# Altium PCB COOP4403.PcbDoc (continued)
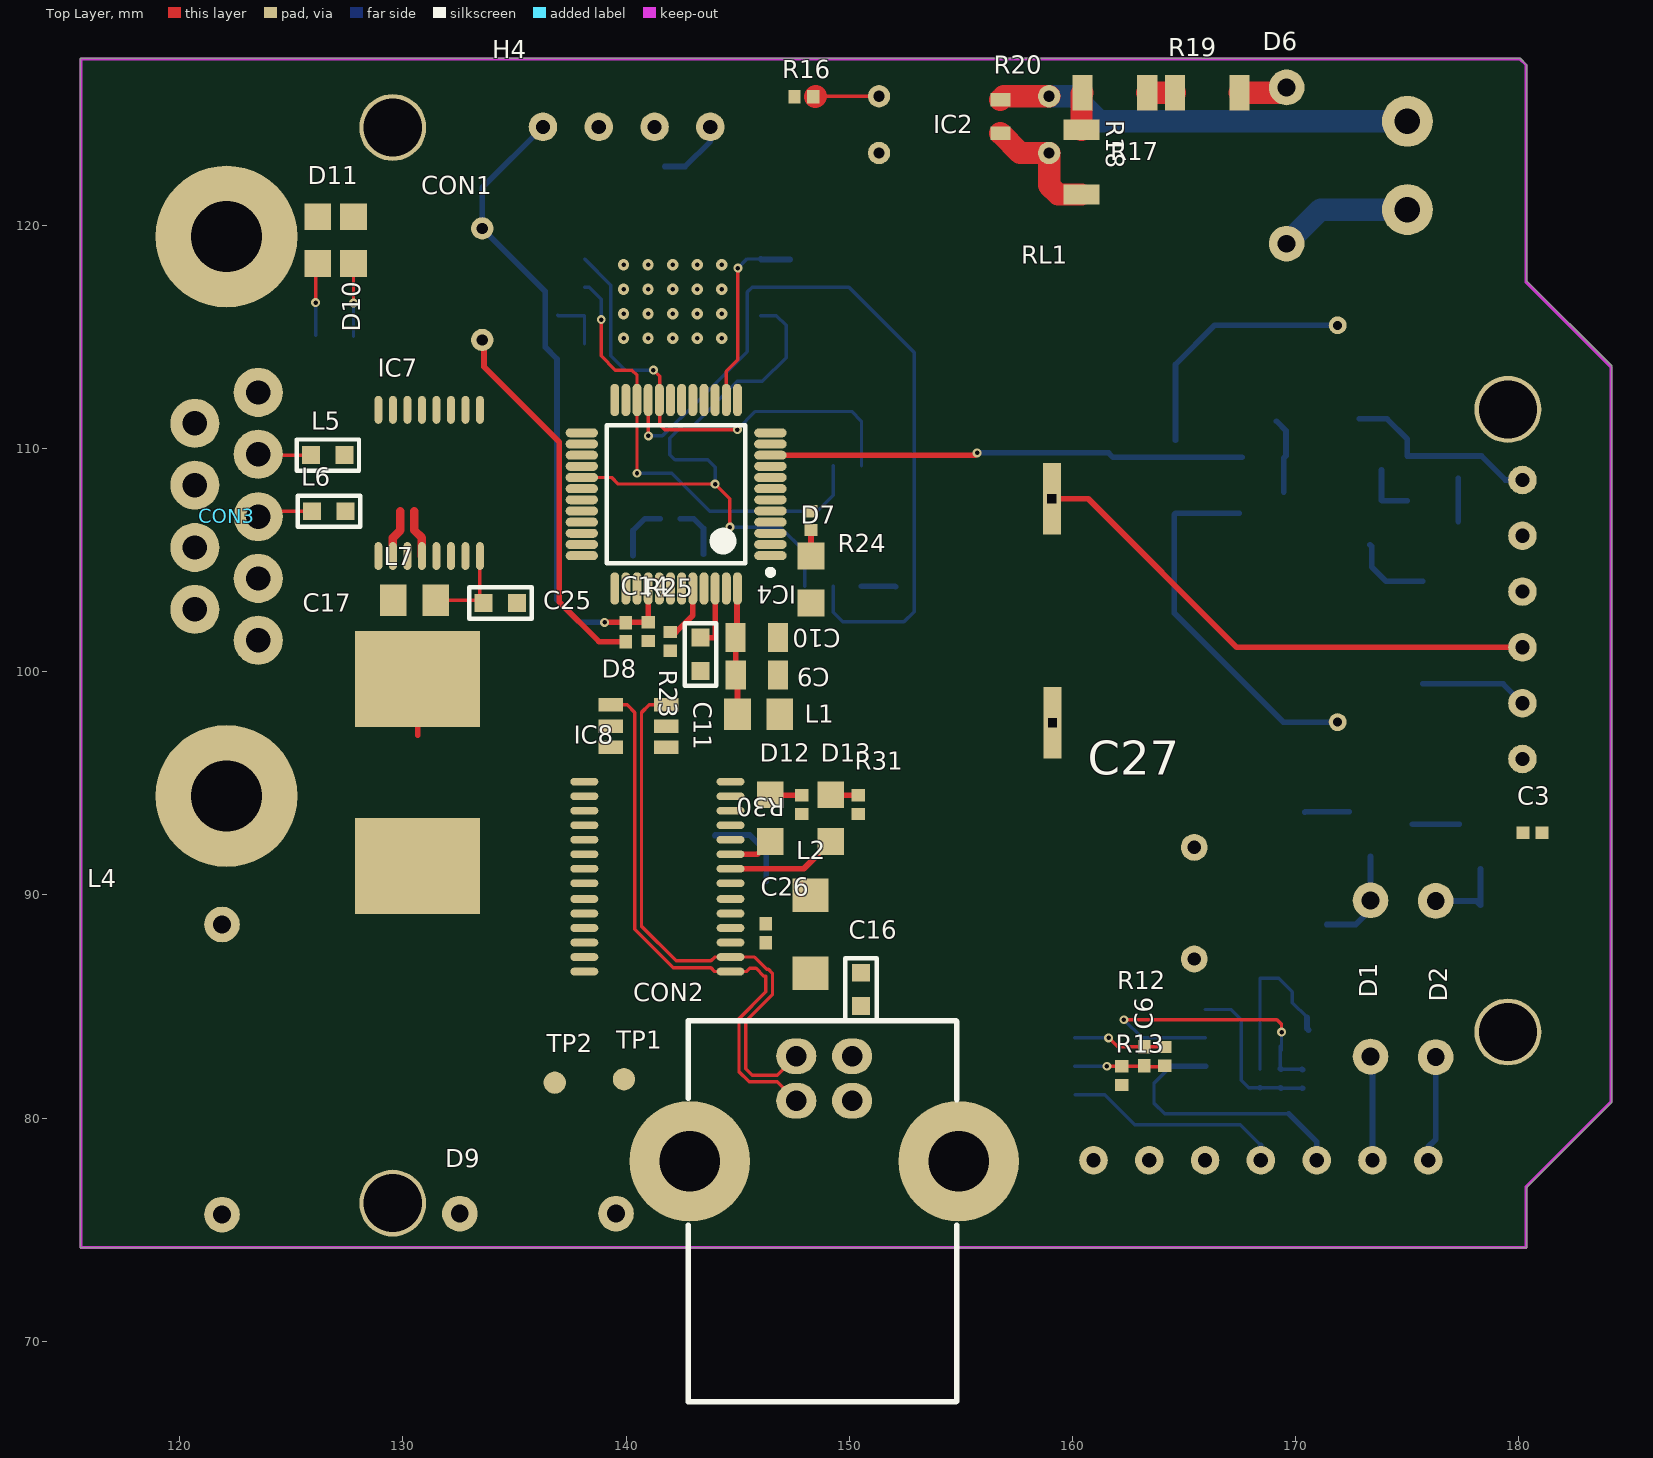
[diagram p0: Top Layer view]
## Components (designator, comment, footprint, x,y, rotation, side; value= is the part's Value field where it differs from the comment)
C1 "C0402-0.027 UF 16V X7R" C0402 173.018,80.315 r0 bottom
C2 "C0402-0.027 UF 16V X7R" C0402 176.715,80.264 r180 bottom
C3 "C0402-220PF" C0402 180.613,92.786 r0 top
C4 "C0402-220PF" C0402 169.342,81.763 r90 bottom
C5 "C0603-100nF-50V" C0603 171.311,84.15 r180 bottom
C6 "C0402-220PF" C0402 163.22,82.76 r90 top
C7 "C0603-100nF-50V" C0603 155.702,86.462 r90 bottom
C8 "C0402 0.1uF" C0402 148.507,110.769 r180 bottom
C9 "C0805 10uF" C0805 145.862,99.847 r0 top
C10 "C0805 10uF" C0805 145.847,101.524 r0 top
C11 "C0603 1uF" C0603 143.332,100.774 r270 top
C12 "C0402 6pF" C0402 143.891,105.258 r180 bottom
C13 "C0402 6pF" C0402 139.885,105.207 r0 bottom
C14 "C0402 1000pF" C0402 139.979,101.771 r270 top
C15 "C0402 0.1uF" C0402 136.931,115.545 r270 bottom
C16 "C0603-100nF-50V" C0603 150.52,85.762 r90 top
C17 "ECAP-1000uF-16V-20%" CAP_SMT 130.734,95.529 r90 top
C18 "C0603 0.1uF" C0603 139.954,84.365 r270 bottom
C19 "C0603 10000pF" C0603 143.219,92.659 r0 bottom
C20 "C0805 10uF" C0805 143.383,94.539 r180 bottom
C21 "C0603 0.1uF" C0603 130.2,114.388 r270 bottom
C22 "C0603 0.1uF" C0603 130.619,108.991 r180 bottom
C23 "C0603 0.1uF" C0603 132.131,114.452 r270 bottom
C24 "C0603 0.1uF" C0603 133.744,108.966 r0 bottom
C25 "C0603 1uF" C0603 134.366,103.073 r180 top
C26 "C0402 0.1uF" C0402 146.253,88.284 r270 top
C27 "ALUM-CAP 100uF" ALUM-CAP 165.456,87.126 r90 top
CON1 "PushButton" PUSHBUTTON 133.553,119.863 r270 top
CON2 "" CON_670688000 142.855,78.062 r0 top
CON3 "DSUB" DSUB 120.675,102.792 r270 top
D1 "1N4007" 1N4007 173.355,82.753 r90 top
D2 "1N4007" 1N4007 176.276,82.728 r90 top
D3 "1N4007" sm4007 164.617,107.113 r90 bottom
D4 "TBAT54" SOT95P245X110-3N 168.497,86.35 r270 bottom
D5 "TBAT54" SOT95P245X110-3N 157.404,87.224 r270 bottom
D6 "1N4007" 1N4007 169.596,119.177 r90 top
D7 "0805LED_RED" 0805LED_GREEN 148.285,103.081 r90 top
D8 "SRV05-4.TCT" SOT23 139.308,97.561 r0 top
D9 "1N4007" 1N4007 139.548,75.717 r180 top
D10 "0805_LED_GREEN" 0805LED_GREEN 127.787,118.288 r90 top
D11 "0805_LED_GREEN" 0805LED_GREEN 126.187,118.288 r90 top
D12 "0805_LED_GREEN" 0805LED_GREEN 146.456,92.388 r90 top
D13 "0805_LED_GREEN" 0805LED_GREEN 149.174,92.388 r90 top
F1 "OZCJ" OZCJ 147.244,77.927 r0 bottom
H1 "CONN HEADER 6PIN" "CON HEADER 6PIN" 180.162,108.588 r270 bottom
H2 "CONN HEADER 7PIN" "CON HEADER 7PIN" 175.942,78.105 r180 bottom
H3 "CONN HEADER 2PIN" "CON HEADER 2PIN" 175.006,120.701 r90 bottom
H4 "CONN HEADER 4PIN" "CON HEADER 4PIN" 143.775,124.409 r180 top
IC1 "LM358ADR2G" SOP127P700X380-8N 163.021,82.956 r180 bottom
IC2 "OPTOCOUPLER" "4DIP_OPTO - duplicate" 151.333,125.781 r0 top
IC3 "MB85RS64PVNF-G-JNERE1" TSOP127P600X155-8N 148.641,106.528 r90 bottom
IC4 "RENESAS MCU" TSQFP50P900X900X160-48N 142.24,107.95 r180 top
IC5 "M25P128-VME6TGB 8VDFPN" QFN127P800X600X85_HS-9N 142.088,116.586 r180 bottom
IC6 "LT1763" SOIC127P600X170-8N 144.374,87.909 r270 bottom
IC7 "SP3222E" SSOP16 133.45,111.731 r270 top
IC8 "FT232RL-REEL" SSOP28 72.19,91.134 r0 top
L1 "EXCMLA20A390U" L0805 144.988,98.095 r0 top
L2 "EXC-ML32A680U" L1608 148.26,86.487 r90 top
L3 "EXC-ML32A680U" L1608 152.634,83.21 r0 bottom
L4 "1110-470K-RC" "1110 Coil" 121.895,75.671 r90 top
L5 "BLM18PG121SN1" C0603 126.632,109.703 r0 top
L6 "BLM18PG121SN1" C0603 126.683,107.188 r0 top
L7 "EXCMLA20A390U" L0805 131.47,103.2 r180 top
Q1 "BC846ALT1" BC846ALT 173.352,91.719 r180 bottom
Q2 "BC846ALT1" BC846ALT 178.283,91.161 r180 bottom
Q3 "FDN352AP" FDN 175.002,107.661 r90 bottom
Q4 "FDN357N" FDN 173.847,109.038 r180 bottom
Q5 "BC846ALT1" BC846ALT 169.469,108.048 r270 bottom
Q6 "NDT3055L" realndt 175.696,104.052 r270 bottom
R1 "V=?" r0402 170.409,93.7 r270 bottom
R2 "V=?" r0402 175.235,93.167 r270 bottom
R3 "V=?" r0402 177.292,106.731 r270 bottom
R4 "V=?" R603 171.399,90.171 r270 bottom
R5 "V=?" R603 178.283,88.187 r90 bottom
R6 "V=?" R603 172.338,107.671 r0 bottom
R7 "V=?" r0402 169.367,83.033 r0 bottom
R8 "V=?" r0402 170.307,81.331 r90 bottom
R9 "R0805" R0805 167.594,109.601 r0 bottom
R10 "V=?" r0402 168.3,111.227 r0 bottom
R11 "V=?" r0402 168.402,82.194 r270 bottom
R12 "V=?" r0402 164.135,83.185 r270 top
R13 "V=?" r0402 162.204,81.483 r90 top
R14 "V=?" R603 173.331,105.689 r180 bottom
R15 "V=?" r0402 157.556,83.617 r0 bottom
R16 "V=?" r0402 148.387,125.755 r180 top
R17 "V=?" R1206 160.401,121.382 r90 top
R18 "V=?" R1206 160.452,125.933 r0 top
R19 "V=?" R1206 164.592,125.933 r0 top
R20 "V=?" R603 156.769,125.628 r270 top
R21 "V=?" r0402 152.07,103.81 r90 bottom
R22 "V=?" r0402 142.926,110.337 r270 bottom
R23 "V=?" r0402 141.986,101.778 r270 top
R24 "V=?" r0402 148.285,106.35 r90 top
R25 "V=?" r0402 140.995,102.209 r270 top
R26 "V=?" r0402 147.345,118.466 r90 bottom
R27 "V=?" r0402 140.894,122.631 r0 bottom
R28 "V=?" r0402 127.787,115.037 r270 bottom
R29 "V=?" r0402 126.086,115.062 r270 bottom
R30 "V=?" r0402 147.879,94.462 r270 top
R31 "V=?" r0402 150.393,94.463 r270 top
RL1 "G5CA-1A DC5" "RELAY OMRON" 171.882,115.519 r270 top
TP1 "TestPoint" TestPoint 139.903,81.737 r90 top
TP2 "TestPoint" TestPoint 136.804,81.585 r90 top
X1 "XTAL" XTAL 141.656,106.782 r270 bottom

## Footprints (in the part's own frame and the unit in brackets; to place one, negate y for a bottom-side part, rotate by r counter-clockwise, add the part's x,y. Pads: shape width x height; smd on the part's side, far side on the other; paste and mask are expansions set on the pad)
1N4007 [mm]
  round 1.6 hole 0.8: 1(0,0) 2(7,0)
  body extent -0.42,-1.31 7.38,1.31, height 3.31
"4DIP_OPTO - duplicate" [mm]
  round 1 hole 0.5: 1(0,0) 2(0,-2.54) 3(7.62,-2.54) 4(7.62,0)
  body extent -0.1,-3.57 7.78,1.03, height 4.3
0805LED_GREEN [mm]
  rect 1.2x1.2 smd: 1(0,0) 2(2.1,0)
  body extent 0.03,-0.6 2.05,0.65, height 1.1
"1110 Coil" [mm]
  round 1.6 hole 0.813: 1(0,0) 2(13,0)
  body extent -0.12,-6.7 12.88,6.3, height 7
ALUM-CAP [mm] "CAP ALUM 100uF 20% 35 Radial"
  round 1.2 hole 0.6: 1(0,0) 2(5,0)
  body extent -2.56,-5.03 7.49,5.03, height 13.03
BC846ALT [mm]
  rect 0.8x0.9 smd: 1(0,0) 2(1.8,0) 3(0.95,2)
  body extent -0.56,-0.18 2.44,2.32, height 1.05
C0402 [mm] "CL05B273K05NNNC 16V X7R"
  rect 0.6x0.55 smd: 1(-0.425,0) 2(0.425,0)
  body extent -0.53,-0.27 0.53,0.28, height 0.65
C0603 [mm]
  rect 0.8x0.8 smd: 1(-0.75,0) 2(0.75,0)
  silkscreen extent -1.4,-0.7 1.4,0.7, body extent -0.8,-0.42 0.8,0.44, height 0.95
C0805 [mm]
  rect 0.9x1.3 smd: 1(-0.95,0) 2(0.95,0)
  body extent -1,-0.6 1,0.6, height 1.5
CAP_SMT [mm]
  rect 4.3x5.6 smd: 1(-4.242,0.076) 2(4.14,0.076)
  body extent -5.45,-4.81 5.45,5.49, height 13.5
"CON HEADER 2PIN" [mm]
  round 2.28 hole 1.14: 1(0,0) 2(3.96,0)
  body extent -1.9,-3.87 5.96,4.63, height 2.7
"CON HEADER 4PIN" [mm]
  round 1.28 hole 0.64: 1(0,0) 2(2.5,0) 3(5,0) 4(7.5,0)
  body extent -2.39,-2.32 10.01,3.43, height 7
"CON HEADER 6PIN" [mm]
  round 1.28 hole 0.64: 1(0,0) 2(2.5,0) 3(5,0) 4(7.5,0) 5(10,0) 6(12.5,0)
  body extent -2.41,-3.51 14.99,2.24, height 3.4
"CON HEADER 7PIN" [mm]
  round 1.28 hole 0.64: 1(0,0) 2(2.5,0) 3(5,0) 4(7.5,0) 5(10,0) 6(12.5,0) 7(15,0)
  body extent -2.45,-3.4 17.45,2.35, height 2.4
CON_670688000 [mm] "CONN USB RT ANG RECPT TYPE B BLK"
  oval 1.8x1.6 hole 0.92: 1(7.27,4.71) 2(4.77,4.71) 3(4.77,2.71) 4(7.27,2.71)
  round 5.4 hole 2.71: 5(0,0) 6(12.04,0)
  silkscreen extent -0.08,-10.77 11.96,6.3, body extent -1.52,-10.49 13.38,6.01, height 10.7
DSUB [mm]
  round 2.2 hole 1.09: 1(-9.719,2.84) 2(-6.949,2.84) 3(-4.155,2.84) 4(-1.385,2.84) 5(1.385,2.84) 6(-8.334,0) 7(-5.564,0) 8(-2.77,0) 9(0,0)
  round 6.36 hole 3.18: 7(-16.699,1.42) 8(8.365,1.42)
  body extent -19.38,-14.35 11.51,3.99, height 12.55
FDN [mm]
  rect 0.76x0.76 smd: 1(0,0) 2(2,0) 3(1,2.29)
  body extent -0.51,-0.08 2.49,2.42, height 1.05
L0805 [mm]
  rect 1.2x1.4 smd: 1(0,0) 2(1.9,0)
L1608 [mm]
  rect 1.5x1.6 smd: 1(0,0) 2(3.5,0)
OZCJ [mm]
  rect 1x1.9 smd: 1(0,0) 2(3,0)
  body extent -0.05,-0.75 3.15,0.85, height 1
PUSHBUTTON [mm]
  round 1 hole 0.5: 1(0,0) 2(5,0)
  body extent -0.46,-3 5.54,3.2, height 4.3
QFN127P800X600X85_HS-9N [mm] "QFN, 8-Leads, Body 8.00x6.00mm, Pitch 1.27mm, Thermal Pad 5.20x4.80mm, IPC Medium Density"
  oval 0.75x0.4 smd: 1(-3.95,1.905) 2(-3.95,0.635) 3(-3.95,-0.635) 4(-3.95,-1.905) 5(3.95,-1.905) 6(3.95,-0.635) 7(3.95,0.635) 8(3.95,1.905)
  rect 5.2x4.8 on Plane1: 9(0,0)
  silkscreen extent -4.93,-3.15 4.15,3.15, body extent -4,-3 4,3, height 0.85
r0402 [mm]
  rect 0.55x0.6 smd: 1(0,0) 2(0.838,0)
  body extent -0.17,-0.25 0.98,0.3, height 0.41
R603 [mm]
  rect 0.6x0.9 smd: 1(0,0) 2(1.5,0)
  body extent -0.09,-0.4 1.51,0.4, height 0.45
R0805 [mm]
  rect 0.7x1.3 smd: 1(0,0) 2(1.9,0)
  body extent -0.08,-0.62 1.92,0.63, height 0.42
R1206 [mm]
  rect 0.9x1.6 smd: 1(0,0) 2(2.9,0)
  body extent -0.2,-0.81 3,0.79, height 0.53
realndt [mm]
  rect 0.95x1.9 smd: 1(0,0) 2(2.3,0) 3(4.6,0)
  rect 3.25x1.9 smd: 2(2.3,6.1)
"RELAY OMRON" [mm]
  round 0.8 hole 0.4: 1(17.78,0) 2(0,0)
  rect 3.2x0.8 hole 0.4 square: 3(7.772,-12.802) 4(17.805,-12.776)
  body extent -2.01,-14.43 19.99,1.57, height 11
sm4007 [mm]
  rect 0.91x1.22 smd: 1(0,0) 2(3.25,0)
SOIC127P600X170-8N [mm] "SOIC, 8-Leads, Body 4.90x3.90mm, Pitch 1.27mm, IPC Medium Density"
  oval 1.5x0.95 smd: 1(-2.7,1.905) 2(-2.7,0.635) 3(-2.7,-0.635) 4(-2.7,-1.905) 5(2.7,-1.905) 6(2.7,-0.635) 7(2.7,0.635) 8(2.7,1.905)
  silkscreen extent -2.82,-2.45 1.55,3.05, body extent -1.95,-2.45 1.95,2.45, height 1.7
SOP127P700X380-8N [mm] "SOP, 8-Leads, Body 4.80x3.80mm, Pitch 1.27mm, IPC Medium Density"
  rect 2.05x0.8 smd: 1(-2.925,1.905) 2(-2.925,0.635) 3(-2.925,-0.635) 4(-2.925,-1.905) 5(2.925,-1.905) 6(2.925,-0.635) 7(2.925,0.635) 8(2.925,1.905)
  silkscreen extent -3.05,-2.4 1.5,2.98, body extent -1.9,-2.4 1.9,2.4, height 3.8
SOT23 [mm]
  rect 1.1x0.6 smd: 1(0,0.95) 2(0,0) 3(0,-0.95) 4(2.5,-0.95) 5(2.5,0) 6(2.5,0.95)
  body extent -0.02,-1.4 2.41,1.4, height 1.09
SOT95P245X110-3N [mm] "SOT23, 3-Leads, Body 2.90x2.45mm, Pitch 0.95mm, IPC Medium Density"
  rect 0.4x1 smd: 1(-0.95,-2.394) 2(0.95,-2.394) 3(0,0.006)
  silkscreen extent -1.92,-2.52 1.5,-0.49, body extent -1.5,-1.89 1.5,-0.49, height 1.1
SSOP16 [mm]
  oval 1.25x0.35 smd: 1(0,0) 2(0,-0.65) 3(0,-1.3) 4(0,-1.95) 5(0,-2.6) 6(0,-3.25) 7(0,-3.9) 8(0,-4.55) 9(6.55,-4.55) 10(6.55,-3.9) 11(6.55,-3.25) 12(6.55,-2.6) 13(6.55,-1.95) 14(6.55,-1.3) 15(6.55,-0.65) 16(6.55,0)
SSOP28 [mm]
  oval 1.25x0.35 smd: 1(65.938,3.937) 2(65.938,3.287) 3(65.938,2.637) 4(65.938,1.987) 5(65.938,1.337) 6(65.938,0.687) 7(65.938,0.037) 8(65.938,-0.613) 9(65.938,-1.321) 10(65.938,-1.971) 11(65.938,-2.621) 12(65.938,-3.271) 13(65.938,-3.921) 14(65.938,-4.571) 15(72.488,-4.571) 16(72.488,-3.921) 17(72.488,-3.271) 18(72.488,-2.621) 19(72.488,-1.971) 20(72.488,-1.321) 21(72.488,-0.613) 22(72.488,0.037) 23(72.488,0.687) 24(72.488,1.337) 25(72.488,1.987) 26(72.488,2.637) 27(72.488,3.287) 28(72.488,3.937)
  body extent 65.31,-5.47 73.07,4.86, height 2.16
TestPoint [mm]
  round 1 smd: 1(0,0)
TSOP127P600X155-8N [mm] "TSOP, 8-Leads, Body 5.05x3.90mm, Pitch 1.27mm, IPC Medium Density"
  oval 1.5x0.65 smd: 1(-2.7,1.905) 2(-2.7,0.635) 3(-2.7,-0.635) 4(-2.7,-1.905) 5(2.7,-1.905) 6(2.7,-0.635) 7(2.7,0.635) 8(2.7,1.905)
  silkscreen extent -2.82,-2.55 1.55,2.91, body extent -1.95,-2.55 1.95,2.55, height 1.55
TSQFP50P900X900X160-48N [mm] "TSQFP, 48-Leads, Body 7.00x7.00mm, Pitch 0.50mm, IPC Medium Density"
  oval 1.45x0.4 smd: 1(-4.225,2.75) 2(-4.225,2.25) 3(-4.225,1.75) 4(-4.225,1.25) 5(-4.225,0.75) 6(-4.225,0.25) 7(-4.225,-0.25) 8(-4.225,-0.75) 9(-4.225,-1.25) 10(-4.225,-1.75) 11(-4.225,-2.25) 12(-4.225,-2.75) 25(4.225,-2.75) 26(4.225,-2.25) 27(4.225,-1.75) 28(4.225,-1.25) 29(4.225,-0.75) 30(4.225,-0.25) 31(4.225,0.25) 32(4.225,0.75) 33(4.225,1.25) 34(4.225,1.75) 35(4.225,2.25) 36(4.225,2.75)
  oval 0.4x1.45 smd: 13(-2.75,-4.225) 14(-2.25,-4.225) 15(-1.75,-4.225) 16(-1.25,-4.225) 17(-0.75,-4.225) 18(-0.25,-4.225) 19(0.25,-4.225) 20(0.75,-4.225) 21(1.25,-4.225) 22(1.75,-4.225) 23(2.25,-4.225) 24(2.75,-4.225) 37(2.75,4.225) 38(2.25,4.225) 39(1.75,4.225) 40(1.25,4.225) 41(0.75,4.225) 42(0.25,4.225) 43(-0.25,4.225) 44(-0.75,4.225) 45(-1.25,4.225) 46(-1.75,4.225) 47(-2.25,4.225) 48(-2.75,4.225)
  silkscreen extent -4.35,-3.1 3.1,3.62, body extent -3.5,-3.5 3.5,3.5, height 1.6
XTAL [mm]
  rect 1.2x0.6 smd: 1(0,-0.9) 2(6.3,-0.9) 3(6.3,0) 4(0,0)

## Part data
C1 C2: "CAP CER 0.027 UF 16V X7R"
C3 C4 C6: "CAP CER 220PF 50V C0G/NP0 0402"
C5 C7 C16: "CL10B104KB8NNNC"
C8 C15 C26: "CAP CER 0.1uF 16V X7R 0402 / SAMSUNG"
C9 C10 C20: "CAP CER 10uF 6.3V X7R 0805 / C0805C106K9RACTU"
C11 C25: "CAP CER 1uF 10V X7R 0603"
C12 C13: "CAP CER 6pF 100V C0G/NP0 0402 / KEMET"
C14: "CAP CER 1000pF 26V X7R 0402 / CL05B102KA5NNNC"
C17: "CAP ALUM 1000pF 20% 16V / UCL1C102MNL1GS"
C18 C21 C22 C23 C24: "CAP CER 0.1uF 16V X7R 0603 / CL10B104K08NNNC"
C19: "CAP CER 10000pF 25V 10% X7R 0603 / CL10B103KA8NNNC"
C27: "CAP ALUM 100uF 20% 35V Radial"
CON1: "SKPDACD010"
CON2: library part 670688000, "CONN USB RT ANG RECPT TYPE B BLK"
CON3: "1734354 - DSUB"
D1 D2 D3 D6 D9: "ONSEMI 1N4007"
D7: "LSR976"
D8: "TVS DIODE 5V 17.5V DIODE SOT23-6"
D10 D11 D12 D13: "LGR971-KN OSRAM"
H1: "B6B-XHA"
H2: "B7B-XHA"
H3: "B2P-VHLFSN"
H4: "B4B-XHALFSN"
IC3: "IC FRAM 64K SPI 20MHZ 8SOP"
IC4: "IC MCU 16BIT 32KB FLASH 48LQFP"
IC5: "IC FLASH 128M SPI 54MHZ 9VDFPN"
IC7: "IC TXRX RS232 ESD TRUE 16SSOP"
IC8: "IC USB FS SERIAL UART 28-SSOP"
L1 L7: "FERRITE BEAD 39 OHM"
L2 L3: "FERRITE BEAD 68 OHM 1206"
L4: "FIXED IND 47UH 2.8A 62MOHM TH"
L5 L6: "FERRITE BEAD 120OHM 2A"
Q1 Q2 Q5: "BJT TRANSISTOR NPN 65V 100MA"
Q3: "MOSFET SINGLE PCH TRENCH"
Q4: "N CHANNEL LOGIC LEVEL ENGANCEMENT MODE FIELD EFFECT TRANSISTOR"
Q6: "N CHANNEL LOGIC LEVEL ENHANCEMENET MODE FIELD EFFECT TRANSISTOR"
R1 R2 R3 R7 R8 R10 R11 R12 R13 R15 R16 R21 R22 R23 R24 R25 R26 R27 R28 R29 R30 R31: library part R0402, "RESISTOR"
R4 R5 R6 R14 R20: library part R0603, "CRCW06034R70FNEA"
R17 R18 R19: library part R1206, "ERJ-8ENF10R0V"
RL1: "RELAY GEN PURPOSES SPST 10A 5V"
X1: "SSP-T7-F"

## Free pads (board coordinates)
  round 3 hole 2.6: 1(179.51,83.853) 1(179.51,111.753) 3(129.545,76.183) 3(129.545,124.383)

## Via types
v1: diameter 0.5, hole 0.2, Top Layer to Bottom Layer, 20 vias
v2: diameter 0.4, hole 0.2, Top Layer to Bottom Layer, 16 vias

## Nets (pads, with @x,y where several pads share a name; then routed paths per layer and width w, separated by ;. In a path a pad name is that pad's centre, name@x,y a point inside that pad or via, vN(x,y) a via of type N, cw(c..) or ccw(c..) an arc to the next point about the centre after c; other vN are vias at no path point)
+3.3V: C8.2 C15.1 C19.1 C20.2 D4.1 D5.1 D10.2 D11.2 H2.6 H4.3 IC3.5 IC3.6 IC5.5 IC5.6 IC6.1 IC6.2 L1.2 L7.2 R1.2 R2.2 R16.2 R21.2 R25.2 R26.2 R27.1 TP2.1 | length 2.5
  Bottom Layer w0.152: C15.1 136.95,115.951 IC5.6 IC5.5
+5V: C3.1 C27.1 D8.5 F1.2 H1.6 H2.7 IC1.8 L2.2 R3.2 R30.2 R31.2 RL1.4
CS_FLASH: IC4.14 IC5.1 R26.1 | length 8.6
  Top Layer w0.152: IC4.14 144.49,113.451 145.009,113.97 v2(145.009,118.085)
  Bottom Layer w0.152: v2(145.009,118.085) 145.415,118.491 IC5.1
  Bottom Layer w0.254: IC5.1 146.063,118.466 R26.1
CS_FRAM: IC3.1 IC4.30 R21.1 | length 1.5
  Bottom Layer w0.254: IC3.1 152.052,103.828 R21.1
GND: C1.1 C2.1 C3.2 C5.1 C7.1 C8.1 C9.2 C10.2 C11.2 C12.1 C13.1 C15.2 C17.2 C18.1 C20.1 C21.1 C24.2 C25.1 C26.1 C27.2 CON2.5 CON2.6 CON3.5 D4.2 D5.2 D7.1 D8.2 H1.2 H1.3 H2.5 H4.2 IC1.4 IC2.2 IC3.4 IC4.47 IC5.4 IC6.3 IC6.6 IC6.7 IC7.8 IC7.11 IC7.15 IC8.7 IC8.18 IC8.21 IC8.25 IC8.26 L3.2 pad.1 pad.3 Q1.2 Q2.2 Q4.2 Q5.2 Q6.2 R4.1 R5.1 R6.1 R7.2 R10.1 R13.1 R14.2 R22.1 R23.2 | length 2.5
  Top Layer w0.254: 130.658,97.155 C17.2
NetC1_2: C1.2 D1.1 H2.2 | length 4.8
  Bottom Layer w0.254: D1.1 173.443,82.665 C1.2@173.443,80.366 ; H2.2 173.442,80.365 C1.2@173.443,80.366 ; C1.2 C1.2@173.443,80.366 ; C1.2@173.457,80.379 C1.2@173.443,80.366
NetC2_2: C2.2 D2.1 H2.1 | length 4.8
  Bottom Layer w0.254: H2.1 175.942,78.711 176.276,79.045 D2.1
NetC4_1: C4.1 IC1.1 R8.1 R11.2 | length 7.4
  Bottom Layer w0.152: IC1.1 167.107,84.861 167.564,84.404 167.564,81.686 167.894,81.356 R11.2 C4.1@169.323,81.356 ; C4.1 R8.1@170.3,81.338
  Bottom Layer w0.254: C4.1@169.323,81.356 C4.1 ; R8.1@170.3,81.338 R8.1
NetC4_2: C4.2 IC1.2 R7.1 R8.2 | length 14.3
  Top Layer w0.152: v2(162.306,84.404) 169.164,84.404 169.367,84.201 v2(169.367,83.845)
  Bottom Layer w0.152: v2(162.306,84.404) 163.119,83.591 IC1.2 ; C4.2@169.316,82.213 R7.1@169.316,83.211 ; C4.2 R8.2@170.288,82.188 ; R7.1 v2(169.367,83.845)
  Bottom Layer w0.254: C4.2@169.316,82.213 C4.2 ; R8.2@170.288,82.188 R8.2
NetC5_2: C5.2 D4.3 IC4.31 R11.1 | length 7.8
  Bottom Layer w0.152: R11.1 168.402,86.261 169.238,86.261 169.85,85.649 169.85,85.166 C5.2@170.51,84.506
  Bottom Layer w0.254: C5.2@170.51,84.506 170.51,84.01 C5.2@170.573,83.947
NetC6_1: C6.1 IC1.6 R12.2 R13.2 | length 4.1
  Top Layer w0.152: v2(161.544,82.321) R13.2 163.214,82.321 163.246,82.289 163.252,82.296 R12.2@164.186,82.296
  Bottom Layer w0.152: IC1.6 v2(161.544,82.321)
NetC6_2: C6.2 IC1.7 R12.1 R15.2 | length 4.2
  Top Layer w0.152: v2(161.62,83.591) 162.027,83.185 C6.2 R12.1
  Bottom Layer w0.152: IC1.7 v2(161.62,83.591)
NetC7_2: C7.2 D5.3 IC4.32 R15.1
NetC9_1: C9.1 C10.1 IC4.48 L1.1 | length 5.7
  Top Layer w0.254: L1.1 144.988,99.771 C9.1 144.912,101.509 C10.1 144.969,101.596 144.969,103.704 IC4.48
NetC11_1: C11.1 IC4.46 | length 2.8
  Top Layer w0.254: C11.1 143.916,101.524 143.99,101.597 IC4.46
NetC12_2: C12.2 IC4.42 X1.1 | length 2.4
  Bottom Layer w0.254: X1.1@142.429,106.858 143.027,106.858 143.466,106.419 C12.2
NetC13_2: C13.2 IC4.41 X1.4 | length 2.6
  Bottom Layer w0.254: C13.2 140.31,106.324 140.843,106.858 X1.4@141.529,106.858
NetC14_2: C14.2 CON1.2 | length 16.9
  Top Layer w0.254: CON1.2 133.629,114.786 133.629,113.665 137.008,110.287 137.008,103.124 138.786,101.346 C14.2
NetC16_1: C16.1 CON2.4 L3.1
NetC16_2: C16.2 CON2.1 L2.1
NetC17_1: C17.1 C18.2 IC6.5 IC6.8 L4.2 TP1.1
NetC19_2: C19.2 IC6.4 | length 4
  Bottom Layer w0.254: C19.2 143.994,92.685 145.542,92.685 146.279,91.948 IC6.4
NetC21_2: C21.2 IC7.6
NetC22_1: C22.1 IC7.4
NetC22_2: C22.2 IC7.5
NetC23_1: C23.1 IC7.1
NetC23_2: C23.2 IC7.3
NetC24_1: C24.1 IC7.2
NetC25_2: C25.2 IC7.16 L7.1 | length 4.2
  Top Layer w0.152: L7.1 C25.2@133.489,103.2 ; IC7.16 133.45,103.239 C25.2@133.489,103.2 ; C25.2 C25.2@133.489,103.2
NetC26_2: C26.2 IC8.17
NetCON3_2: CON3.2 L5.1 | length 2.4
  Top Layer w0.152: CON3.2 123.554,109.703 L5.1
NetCON3_3: CON3.3 L6.1 | length 2.5
  Top Layer w0.152: CON3.3 123.756,107.188 L6.1
NetD1_2: D1.2 Q1.1 R4.2 | length 4.6
  Bottom Layer w0.254: R4.2 172.695,88.671 173.177,89.154 173.177,89.575 D1.2 173.352,89.757 Q1.1
NetD2_2: D2.2 Q2.1 R5.2 | length 3.7
  Bottom Layer w0.254: D2.2 178.09,89.728 178.283,89.535 R5.2 Q2.1
NetD3_1: D3.1 Q5.3 RL1.1 | length 16.7
  Bottom Layer w0.254: Q5.3 164.624,107.098 164.567,107.041 164.567,102.616 169.443,97.739 RL1.1
NetD3_2: D3.2 RL1.2 | length 11.4
  Bottom Layer w0.254: D3.2 164.617,113.767 166.37,115.519 RL1.2
NetD6_1: D6.1 H3.1 | length 6
  Bottom Layer w1: D6.1 171.12,120.701 H3.1
NetD6_2: D6.2 R19.2 | length 2.2
  Top Layer w1: R19.2 169.352,125.933 D6.2
NetD7_2: D7.2 R24.1 | length 1.2
  Top Layer w0.254: D7.2 R24.1
NetD9_1: D9.1 F1.1
NetD9_2: D9.2 L4.1
NetD10_1: D10.1 R28.1 | length 3.3
  Top Layer w0.152: v2(127.787,116.51) D10.1
  Bottom Layer w0.152: R28.1 v2(127.787,116.51)
NetD11_1: D11.1 R29.1 | length 3.3
  Top Layer w0.152: v2(126.086,116.535) 126.086,118.186 D11.1
  Bottom Layer w0.152: R29.1 v2(126.086,116.535)
NetD12_2: D12.2 R30.1 | length 1.4
  Top Layer w0.254: D12.2 146.482,94.462 R30.1
NetD13_2: D13.2 R31.1 | length 1.2
  Top Layer w0.254: D13.2 149.2,94.463 R31.1
NetH1_1: H1.1 Q3.2 Q4.3 | length 8.9
  Bottom Layer w0.254: Q4.3 174.092,111.328 175.002,110.418 Q3.2 178.324,109.661 179.397,108.588 H1.1
NetH1_4: H1.4 RL1.3 | length 23.8
  Top Layer w0.254: RL1.3 160.706,107.747 167.364,101.088 H1.4
NetH1_5: H1.5 Q6.3 | length 4.8
  Bottom Layer w0.254: Q6.3 179.298,99.452 H1.5
NetH2_3: H2.3 IC1.3 | length 12.4
  Bottom Layer w0.152: 164.414,82.321 163.652,81.559 163.652,80.67 164.135,80.188 169.697,80.188
  Bottom Layer w0.254: 164.414,82.321 IC1.3 IC1.3@165.968,82.321 ; 169.697,80.188 170.942,78.943 H2.3
NetH2_4: H2.4 IC1.5 | length 9.9
  Bottom Layer w0.152: IC1.5@160.118,81.051 161.442,81.051 162.789,79.705 167.513,79.705 168.442,78.776
  Bottom Layer w0.254: H2.4 168.442,78.776
NetH3_2: H3.2 IC2.4 R20.1 | length 18.8
  Top Layer w1: R20.1 156.921,125.781 IC2.4
  Bottom Layer w1: IC2.4 160.096,125.781 161.216,124.661 H3.2
NetIC2_1: IC2.1 IC4.28 R16.1 | length 2.9
  Top Layer w0.152: R16.1@148.502,125.781 IC2.1
  Top Layer w1: R16.1@148.476,125.755 R16.1@148.502,125.781
NetIC2_3: IC2.3 R17.1 R20.2 | length 5.6
  Top Layer w1: R20.2 157.656,123.241 IC2.3 158.953,121.793 159.364,121.382 R17.1
NetIC4_5: IC4.5 R24.2
NetIC4_9: IC4.9 Q6.1 R14.1 | length 3.6
  Bottom Layer w0.254: R14.1 173.406,105.615 173.406,104.699 174.052,104.052 Q6.1
NetIC4_10: IC4.10 R9.1 | length 21.3
  Top Layer w0.254: IC4.10 155.623,109.7 v2(155.727,109.804)
  Bottom Layer w0.254: v2(155.727,109.804) 161.62,109.804 161.823,109.601 R9.1
NetIC4_11: IC4.11 Q3.1 Q4.1 R6.2 | length 2.5
  Bottom Layer w0.254: Q4.1 173.847,107.68 173.866,107.661 Q3.1
NetIC4_37: IC4.37
NetIC4_38: IC4.38
NetIC4_44: IC4.44 IC4.45 R23.1 | length 2.5
  Top Layer w0.254: R23.1 142.24,101.778 142.99,102.528 IC4.44
NetIC7_7: IC7.7 L5.2
NetIC7_13: IC7.13 L6.2
NetQ1_3: Q1.3 R1.1 | length 2
  Bottom Layer w0.254: R1.1 170.428,93.719 Q1.3
NetQ2_3: Q2.3 R2.1 | length 2.1
  Bottom Layer w0.254: R2.1 177.326,93.167 Q2.3
NetQ3_3: Q3.3 R3.1 | length 1.9
  Bottom Layer w0.254: R3.1 Q3.3
NetQ5_1: Q5.1 R9.2 R10.2 | length 3.4
  Bottom Layer w0.254: R10.2 169.57,110.795 169.57,109.677 R9.2 169.469,109.576 Q5.1
NetR17_2: R17.2 R18.1 | length 1.7
  Top Layer w1: R17.2 160.401,125.882 R18.1
NetR18_2: R18.2 R19.1 | length 1.2
  Top Layer w1: R18.2 R19.1
NetX1_2: X1.2 X1.3
RESET: C14.1 CON1.1 H4.4 IC4.40 R25.1 | length 29.7
  Top Layer w0.254: v2(139.04,102.21) 139.966,102.21 R25.1 140.995,103.72 IC4.40
  Bottom Layer w0.254: H4.4 133.553,121.688 CON1.1 136.377,117.039 136.377,114.54 136.906,114.011 136.906,103.226 137.922,102.21 v2(139.04,102.21)
RXD_A_N: IC4.15 IC7.10 R28.2 | length 2.1
  Top Layer w0.381: IC7.10 129.55,105.997 129.883,106.329 129.883,107.188
RXD_A_P: IC4.16 IC7.12 R29.2 | length 2.1
  Top Layer w0.381: 130.518,107.188 130.518,106.329 130.85,105.997 IC7.12
RXD_USB: IC4.35 IC8.5
RXLED: D13.1 IC8.22 | length 5
  Top Layer w0.254: IC8.22 147.957,91.171 D13.1
SCK: IC3.7 IC4.22 IC5.7 | length 21
  Top Layer w0.152: v2(138.887,115.773) 138.887,114.148 139.522,113.513 140.259,113.513 140.49,113.281 IC4.22 140.487,112.172 v2(140.487,108.89)
  Bottom Layer w0.152: IC5.7 138.354,117.221 138.887,116.688 v2(138.887,115.773) ; v2(140.487,108.89) 142.037,108.89 143.739,107.188 148.565,107.188 149.276,107.899 IC3.7
SI: IC3.2 IC4.21 IC5.2 | length 35.8
  Top Layer w0.152: IC4.21 140.995,112.17 v2(140.995,110.566)
  Bottom Layer w0.152: v2(140.995,110.566) 141.631,110.566 142.419,111.354 142.443,111.354 145.434,114.344 145.434,117.011 145.644,117.221 IC5.2 149.987,117.221 152.908,114.3 152.908,102.692 152.451,102.235 149.708,102.235 149.276,102.667 IC3.2
SO: IC3.8 IC4.20 IC5.8 | length 21.2
  Top Layer w0.152: v2(141.224,113.513) 141.503,113.233 141.503,111.074 141.732,110.846 v2(144.983,110.846)
  Bottom Layer w0.152: IC5.8 139.319,117.31 139.319,114.148 139.954,113.513 v2(141.224,113.513) ; v2(144.983,110.846) 145.796,111.658 150.114,111.658 150.546,111.227 IC3.8
TOOL0: H4.1 IC4.39 R27.2 | length 3.2
  Bottom Layer w0.254: R27.2 142.646,122.631 143.775,123.76 H4.1
TXD_USB: IC4.34 IC8.1
TXLED: D12.1 IC8.23 | length 2
  Top Layer w0.254: IC8.23 145.889,91.821 D12.1
USB_A_N: CON2.2 D8.6 IC8.16 | length 25.2
  Top Layer w0.152: D8.6 141.031,98.511 140.691,98.171 140.691,88.59 142.24,87.041 143.805,87.041 143.977,87.213 IC8.16 145.755,87.213 146.037,86.931 146.303,86.665 146.379,86.665 146.558,86.486 146.558,85.522 145.364,84.328 145.364,82.204 145.644,81.924 146.777,81.924 CON2.2
USB_A_P: CON2.3 D8.1 IC8.15 | length 25.7
  Top Layer w0.152: D8.1 140.045,98.511 140.386,98.171 140.386,88.464 142.114,86.736 143.805,86.736 143.977,86.563 IC8.15 145.38,86.563 145.532,86.716 145.821,86.716 146.177,86.36 146.253,86.36 146.253,85.648 145.059,84.454 145.059,82.078 145.517,81.62 146.777,81.62 CON2.3
"WRITE PROJECT": IC3.3 IC4.29 IC5.3 R22.2 | length 26.9
  Top Layer w0.152: IC4.29 139.356,108.7 139.649,108.407 v2(143.993,108.407) 144.653,107.747 v2(144.653,106.477)
  Bottom Layer w0.152: v2(143.993,108.407) 143.993,109.169 143.662,109.499 R22.2 142.189,109.499 141.961,109.728 141.961,110.465 142.545,111.049 143.027,111.049 144.983,113.005 146.101,113.005 147.168,114.071 147.168,115.519 146.736,115.951 IC5.3 ; v2(144.653,106.477) 146.914,106.477 148.006,105.385 IC3.3
pads on no net: CON3.1 CON3.4 CON3.6 CON3.7 CON3.8 CON3.9 D8.3 D8.4 IC4.1 IC4.2 IC4.3 IC4.4 IC4.6 IC4.7 IC4.8 IC4.12 IC4.13 IC4.17 IC4.18 IC4.19 IC4.23 IC4.24 IC4.25 IC4.26 IC4.27 IC4.33 IC4.36 IC4.43 IC5.9 IC7.9 IC7.14 IC8.2 IC8.3 IC8.4 IC8.6 IC8.8 IC8.9 IC8.10 IC8.11 IC8.12 IC8.13 IC8.14 IC8.19 IC8.20 IC8.24 IC8.27 IC8.28
copper on no net:
  other v1: 139.888,114.936 140.988,114.936 142.088,114.936 143.188,114.936 144.288,114.936 139.888,116.036 140.988,116.036 142.088,116.036 143.188,116.036 144.288,116.036 139.888,117.136 140.988,117.136 142.088,117.136 143.188,117.136 144.288,117.136 139.888,118.236 140.988,118.236 142.088,118.236 143.188,118.236 144.288,118.236

## Polygon pours and split planes (outlines as drawn)
NetD6_1 on PWR "5V" (solid, remove dead copper, pour order 0): 155.092,118.364 180.264,118.364 180.315,118.313 180.315,127.178 180.035,127.457 155.092,127.457
no net on GND (split plane): 179.855,126.966 179.855,117.5 179.865,117.401 179.894,117.305 179.941,117.217 180.004,117.139 183.651,113.493 183.651,80.907 179.984,77.24 179.92,77.163 179.873,77.075 179.844,76.979 179.834,76.879 179.834,74.693 116.055,74.693 116.055,126.972 179.849,126.972

## Keep-outs
Keep-Out Layer:
  lines w0.127: 115.57,74.193 115.57,127.457 180.035,127.457 180.315,127.178 180.315,117.45 184.125,113.64 184.125,80.747 180.315,76.937 180.315,74.193 115.57,74.193

## Silkscreen, mask and mechanical layers (free items; w line width, h text height)
Top Overlay:
  text "COOP4403" at 89.078,112.624 h0.8 r90
  text "Berkant AY" at 90.018,112.065 h0.8 r90
Bottom Overlay:
  text "COOP4403" at 119.558,126.619 h0.8
  text "Berkant AY" at 120.548,125.806 h0.8